# Altium PCB XMeter - 副本.PcbDoc
Units mm, origin at the board's own origin, x right, y up, seen from the top; angles counter-clockwise.
Board outline 138 x 50 mm, 2 copper layers (Top Layer, Bottom Layer); 53 components, 56 nets, 232 pads, 29 vias.
Unrouted connection lines stored in the file: 46.
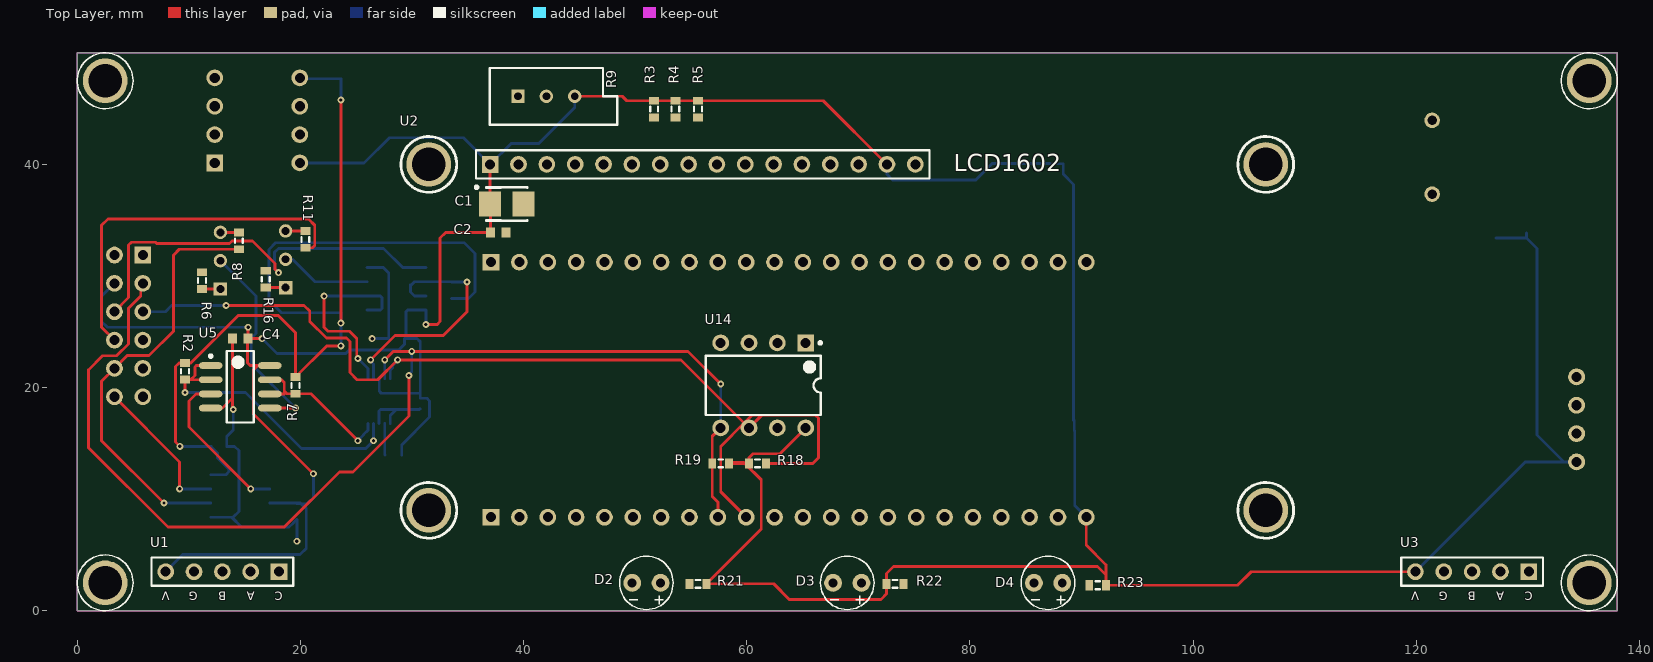
[diagram p0: Top Layer view]
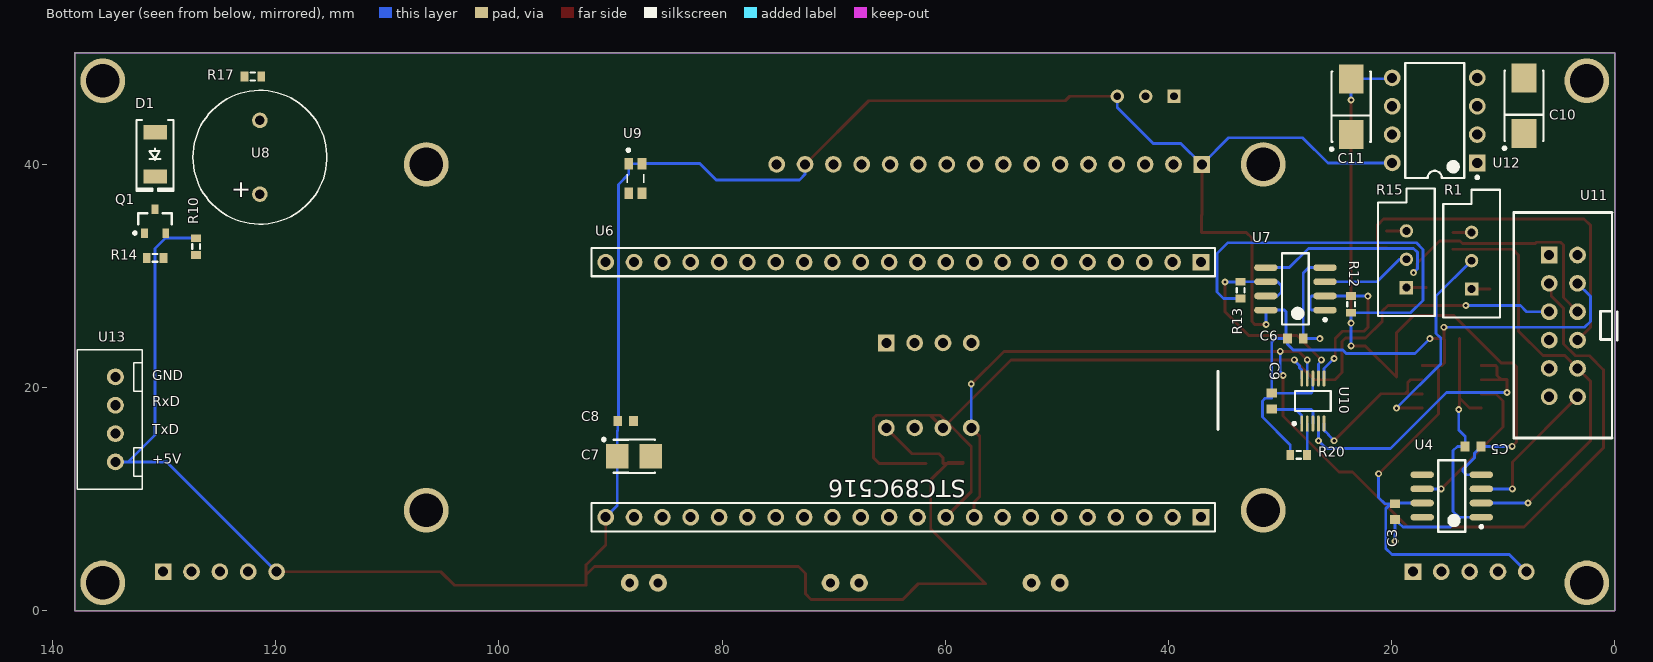
[diagram p1: Bottom Layer view, seen from below]

## Layer stack, top to bottom
Top Solder: solder mask 0.0102, Solder Resist, Dk 3.5
Top Layer: signal copper 0.0356
Dielectric 1: dielectric 0.32, FR-4, Dk 4.8
Bottom Layer: signal copper 0.0356
Bottom Solder: solder mask 0.0102, Solder Resist, Dk 3.5

## Board outline
0,0 138,0 138,50 0,50

## Design rules (kind name [scope] priority, off if disabled: settings)
Clearance TSSOP [WithinRoom('RoomDefinition1') vs WithinRoom('RoomDefinition1')] p1: gap=0.01 ignorepadtopadclearanceinfootprint=TRUE
Clearance Clearance_2 [InNamedPolygon('NONET_L01_P001')] p2: gap=0.254 ignorepadtopadclearanceinfootprint=FALSE
Clearance Clearance_1 [InNamedPolygon('NONET_L01_P000')] p3: gap=0.254 ignorepadtopadclearanceinfootprint=FALSE
Clearance [Not WithinRoom('RoomDefinition1') vs Not WithinRoom('RoomDefinition1')] p4: gap=0.254 ignorepadtopadclearanceinfootprint=TRUE
ComponentClearance [All] p1: gap=0.254 collisioncheckmode=3 verticalgap=0.254 showdistances=FALSE donotcheckwithout3dbody=TRUE
HoleSize [All] p1: absolutevalues=TRUE maxlimit=3.3 minlimit=0.025 maxpercent=80.000 minpercent=20.000
MinimumSolderMaskSliver SG3030CM [HasFootprint('SG3030CM') vs HasFootprint('SG3030CM')] p1: minsoldermaskwidth=0.19
MinimumSolderMaskSliver TSSOP50 [HasFootprint('TSSOP50P490-10AL') vs HasFootprint('TSSOP50P490-10AL')] p2: minsoldermaskwidth=0.046
MinimumSolderMaskSliver [All] p3: minsoldermaskwidth=0.254
PolygonConnect [All] p1: connectstyle=Relief reliefconductorwidth=0.254 reliefentries=4 polygonreliefangle="90 Angle" airgapwidth=0.254
RoomDefinition RoomDefinition1 [False] p1: confinementstyle=ConfineIn formatcopy=TRUE lockcomponents=FALSE outline 25.146,15.621 25.146,21.971 28.956,21.971 28.956,15.621
RoutingVias [All] p1: holewidth=0.305 width=0.61 viastyle="Through Hole" minholewidth=0.305 minwidth=0.61 maxholewidth=0.305 maxwidth=0.61
SMDEntry [InComponentClass('ChipClass')] p1: side=FALSE corner=FALSE anyangle=FALSE
SilkToSolderMaskClearance [IsPad] p1: minsilkscreentomaskgap=0.007 clearancetoexposedcopper=TRUE
SolderMaskExpansion [All] p1: expansion=0.102 istentingtop=FALSE
SupplyNets "Schematic Supply Nets_1" [InNet('+5')] p1: voltage=0.000
SupplyNets "Schematic Supply Nets" [InNet('GND')] p2: voltage=0.000
Width [All] p1: maxlimit=4 minlimit=0.254 preferedwidth=0.254
26 further rules are at their usual default settings.

## Classes and differential pairs
net class DIGETAL: BEEPER CC FAN MOD_A MOD_B MOD_C RDY RxD SET_A SET_B SET_C SWITCH TxD
net class ANALOG: +5 -5 ADC_CURRENT ADC_TEMP ADC_VIN ADC_VOUT GND_H NetR1_3 NetR15_2 NetR15_3 NetU4_6 SAMPLE_C TEMP VIN
net class GND: GND
net class I2C: SCL SDA
component class ChipClass: U1 U2 U3 U4 U5 U6 U7 U8 U9 U10 U12 U13 U14

## Components (designator, comment, footprint, x,y, rotation, side; value= is the part's Value field where it differs from the comment)
C1 "16V" TC3528-1411 38.481,36.449 r0 top value=10uF
C2 "" CAPC1608L 37.719,33.909 r180 top value=104
C3 "" CAPC1608L 19.685,8.89 r90 bottom value=104
C4 "" CAPC1608L 14.605,24.384 r0 top value=104
C5 "" CAPC1608L 12.7,14.732 r180 bottom value=104
C6 "" CAPC1608L 28.611,24.4 r0 bottom value=104
C7 "16V" TC3528-1411 87.884,13.843 r180 bottom value=10uF
C8 "" CAPC1608L 88.646,17.018 r0 bottom value=104
C9 "" CAPC1608L 30.734,18.796 r90 bottom value=104
C10 "16V" TC6032-2412 8.128,45.252 r90 bottom value=100uF
C11 "16V" TC6032-2412 23.622,45.172 r90 bottom value=100uF
D1 "SS12" "DO214AC SMA" 130.81,40.894 r270 bottom
D2 "CC" LED 51,2.5 r270 top locked
D3 "SWITCH" LED 69,2.5 r270 top locked
D4 "FAN" LED 87,2.5 r270 top locked
Q1 "S8550(2TY)" SOT-23B_L 130.81,34.925 r90 bottom
R1 "" VR5 12.827,31.369 r90 bottom value=10K
R2 "" RESC1608L 9.652,21.463 r270 top value=40K
R3 "" RESC1608L 51.689,44.958 r270 top value=4.7K
R4 "" RESC1608L 53.594,44.958 r270 top value=4.7K
R5 "" RESC1608L 55.626,44.958 r270 top value=4.7K
R6 "" RESC1608L 11.176,29.591 r90 top value=10K
R7 "" RESC1608L 19.558,20.193 r270 top value=40K
R8 "" RESC1608L 14.478,33.147 r90 top value=100K
R9 "" VR5 42.037,46.101 r0 top value=1K
R10 "" RESC1608L 127.127,32.639 r90 bottom value=10K
R11 "" RESC1608L 20.447,33.274 r90 top value=120K
R12 "" RESC1608L 23.622,27.46 r90 bottom value=40K
R13 "" RESC1608L 33.528,28.73 r90 bottom value=40K
R14 "" RESC1608L 130.81,31.623 r0 bottom value=4.7K
R15 "" VR5 18.669,31.496 r90 bottom value=5K
R16 "" RESC1608L 16.891,29.718 r90 top value=10K
R17 "" RESC1608L 122.047,47.879 r180 bottom value=100
R18 "" RESC1608L 60.96,13.208 r0 top value=10k
R19 "" RESC1608L 57.658,13.208 r180 top value=10k
R20 "" RESC1608L 28.321,13.97 r180 bottom value=10k
R21 "" RESC1608L 55.626,2.413 r0 top value=1K
R22 "" RESC1608L 73.279,2.413 r180 top value=1K
R23 "" RESC1608L 91.44,2.286 r0 top value=1K
U1 "CODEKEY(MOD)" CODEKEY 18.08,3.5 r180 top locked
U2 "LCD1602" LCD1602 37,40 r0 top locked
U3 "CODEKEY(SET)" CODEKEY 130.08,3.5 r180 top locked
U4 "LT1990" SOP127P636-8L 14.605,10.287 r0 bottom
U5 "OPA2335" SOP127P636-8L 14.605,20.066 r0 top
U6 "STC89C516CORE" STC89516CORE 37.084,31.242 r0 bottom locked
U7 "OPA2335" SOP127P636-8L 28.611,28.845 r0 bottom
U8 "BEEPER" BEEPER 121.412,40.64 r90 bottom
U9 "SG3030CM" SG3030CM 87.757,38.735 r270 bottom
U10 "ADS1115" TSSOP50P490-10AL 27.051,18.796 r90 bottom
U11 "DC3-12P" DC3-12P 5.874,31.877 r270 bottom
U12 "MAX660" DIP-8 16.129,43.942 r0 bottom
U13 "SERIAL4P" X254-4P 134.366,17.145 r270 bottom
U14 "AT24C02" DIP-8 61.468,20.193 r270 top

## Footprints (in the part's own frame and the unit in brackets; to place one, negate y for a bottom-side part, rotate by r counter-clockwise, add the part's x,y. Pads: shape width x height; smd on the part's side, far side on the other; paste and mask are expansions set on the pad)
BEEPER [mm] "BEEPER"
  round 1.4 hole 0.85: 1(-3.3,0) 2(3.3,0)
  silkscreen extent -6,-6 6,6
CAPC1608L [mm] "Chip Capacitor, Body 1.6x0.8mm, IPC High Density"
  rect 0.8x0.9 smd: 1(-0.7,0) 2(0.7,0)
  body extent -0.87,-0.48 0.87,0.48, height 0.85
CODEKEY [mm] "CODEKEY"
  rect 1.5x1.5 hole 0.9: 1(0,0)
  round 1.5 hole 0.9: 2(2.54,0) 3(5.08,0) 4(7.62,0) 5(10.16,0)
  silkscreen extent -1.27,-1.27 11.43,1.27
DC3-12P [mm] "Connector; Header; 6x2 Position"
  rect 1.5x1.5 hole 0.9: 1(0,0)
  round 1.5 hole 0.9: 2(2.54,0) 3(5.08,0) 4(7.62,0) 5(10.16,0) 6(12.7,0) 7(12.7,2.54) 8(10.16,2.54) 9(7.62,2.54) 10(5.08,2.54) 11(2.54,2.54) 12(0,2.54)
  silkscreen extent -3.81,-3.18 16.38,6.1
DIP-8 [mm] "DIP; 8 Leads; Row Spacing 7.62 mm; Pitch 2.54 mm"
  rect 1.5x1.5 hole 0.9: 1(-3.81,3.81)
  round 1.5 hole 0.9: 2(-3.81,1.27) 3(-3.81,-1.27) 4(-3.81,-3.81) 5(3.81,-3.81) 6(3.81,-1.27) 7(3.81,1.27) 8(3.81,3.81)
  silkscreen extent -3.93,-5.15 2.65,5.23, body extent -3.6,-5.15 3.6,5.15, height 5.08
"DO214AC SMA" [mm] "Molded Diode, 2-Leads, Body 4.30x2.60mm, IPC Medium Density"
  rect 1.27x2.1 smd: 1(-1.985,0) 2(1.985,0)
  silkscreen extent -3.08,-1.65 3.25,1.65, body extent -2.6,-1.37 2.6,1.37, height 2.4
LCD1602 [mm] "LCD1602"
  round 4 hole 3: 0(-5.5,-31) 0(-5.5,0) 0(69.5,-31) 0(69.5,0)
  rect 1.5x1.5 hole 0.9: 1(0,0)
  round 1.5 hole 0.9: 2(2.54,0) 3(5.08,0) 4(7.62,0) 5(10.16,0) 6(12.7,0) 7(15.24,0) 8(17.78,0) 9(20.32,0) 10(22.86,0) 11(25.4,0) 12(27.94,0) 13(30.48,0) 14(33.02,0) 15(35.56,0) 16(38.1,0)
  silkscreen extent -8,-33.5 72,2.5
LED [mm] "LED; 2 Leads"
  round 1.6 hole 0.8: 1(0,1.27) 2(0,-1.27)
  silkscreen extent -2.4,-2.4 2.4,2.4
RESC1608L [mm] "Chip Resistor, Body 1.6x0.8mm, IPC High Density"
  rect 0.7x0.9 smd: 1(-0.75,0) 2(0.75,0)
  silkscreen extent -0.2,-0.35 0.2,0.35, body extent -0.85,-0.48 0.85,0.48, height 0.6
SG3030CM [mm]
  rect 1.05x0.8 smd: 1(-1.325,-0.6) 2(1.325,-0.6) 3(1.325,0.6) 4(-1.325,0.6)
  silkscreen extent -2.66,-0.76 0.38,0.75
SOP127P636-8L [mm] "SOP, 8-Leads, Body 6x4.7mm, Pitch 1.27mm, IPC High Density"
  oval 2.1x0.6 smd: 1(-2.65,1.905) 2(-2.65,0.635) 3(-2.65,-0.635) 4(-2.65,-1.905) 5(2.65,-1.905) 6(2.65,-0.635) 7(2.65,0.635) 8(2.65,1.905)
  silkscreen extent -2.77,-3.2 1.2,3.2, body extent -2.36,-3.17 2.36,3.17, height 1.5
SOT-23B_L [mm] "SOT23, 3-Leads, Body 2.9x1.3mm, Pitch 0.95mm, Lead Span 2.4mm, IPC High Density"
  rect 0.85x0.6 smd: 1(-1.075,0.95) 2(-1.075,-0.95) 3(1.075,0)
  silkscreen extent -1.2,-1.5 0.7,1.93, body extent -0.7,-1.5 0.7,1.5, height 1.14
STC89516CORE [mm]
  rect 1.5x1.5 hole 0.9: 1(0,0) 44(0,22.86)
  round 1.5 hole 0.9: 2(2.54,0) 3(5.08,0) 4(7.62,0) 5(10.16,0) 6(12.7,0) 7(15.24,0) 8(17.78,0) 9(20.32,0) 10(22.86,0) 11(25.4,0) 12(27.94,0) 13(30.48,0) 14(33.02,0) 15(35.56,0) 16(38.1,0) 17(40.64,0) 18(43.18,0) 19(45.72,0) 20(48.26,0) 21(50.8,0) 22(53.34,0) 23(53.34,22.86) 24(50.8,22.86) 25(48.26,22.86) 26(45.72,22.86) 27(43.18,22.86) 28(40.64,22.86) 29(38.1,22.86) 30(35.56,22.86) 31(33.02,22.86) 32(30.48,22.86) 33(27.94,22.86) 34(25.4,22.86) 35(22.86,22.86) 36(20.32,22.86) 37(17.78,22.86) 38(15.24,22.86) 39(12.7,22.86) 40(10.16,22.86) 41(7.62,22.86) 42(5.08,22.86) 43(2.54,22.86)
  silkscreen extent -1.52,-1.27 54.61,24.13
TC3528-1411 [mm] "Capacitor, SM Tantalum; Body 3.5 x 2.8 mm (LxW typ)"
  rect 2x2.2 smd: 1(-1.5,0) 2(1.5,0)
  silkscreen extent -2.82,-1.5 1.85,1.62
TC6032-2412 [mm] "Capacitor, SM Tantalum; Body 6.0 x 3.2 mm (LxW typ)"
  rect 2.6x2.2 smd: 1(-2.5,0) 2(2.5,0)
  silkscreen extent -3.92,-1.75 3.15,1.88
TSSOP50P490-10AL [mm] "TSSOP, 10-Leads, Body 3x3mm, Pitch 0.5mm, IPC High Density"
  oval 1.45x0.25 smd: 1(-2.025,1) 2(-2.025,0.5) 3(-2.025,0) 4(-2.025,-0.5) 5(-2.025,-1) 6(2.025,-1) 7(2.025,-0.5) 8(2.025,0) 9(2.025,0.5) 10(2.025,1)
  silkscreen extent -2.15,-1.6 0.9,1.8, body extent -1.6,-1.6 1.6,1.6, height 1.1
VR5 [mm] "Thru-Hole; 3 Leads"
  round 1.2 hole 0.7: 1(2.54,0) 3(0,0)
  rect 1.2x1.2 hole 0.7: 2(-2.54,0)
  silkscreen extent -5.08,-2.54 6.35,2.54
X254-4P [mm] "X254-4P"
  oval 1.5x1.524 hole 0.9: 1(-3.81,0) 2(-1.27,0) 3(1.27,0) 4(3.81,0)
  silkscreen extent -6.25,-3.43 6.25,2.41

## Part data
C1 C7 C10 C11: library part "Cap Pol1", "Polarized Capacitor (Radial)", LatestRevisionDate=17-Jul-2002, LatestRevisionNote="Re-released for DXP Platform.", PackageDescription="Polarized Capacitor (Radial); 2 Leads", PackageReference=RB7.6-15, Published=8-Jun-2000, Publisher="Altium Limited"
C2 C3 C4 C5 C6 C8 C9: library part Cap, "Capacitor", LatestRevisionDate=17-Jul-2002, LatestRevisionNote="Re-released for DXP Platform.", PackageDescription="Radial Cap, Thru-Hole; 2 Leads; 0.3 in Pin Spacing", PackageReference=RAD-0.3, Published=8-Jun-2000, Publisher="Altium Limited"
D1: library part "Diode 1N4007", "1 Amp General Purpose Rectifier", Code_JEDEC=DO-204-AL, ComponentLink1Description="Manufacturer Link", ComponentLink1URL=http://www.fairchildsemi.com/, ComponentLink2Description=Datasheet, ComponentLink2URL=http://www.fairchildsemi.com/ds/1N%2F1N4001.pdf, DatasheetVersion=1998, LatestRevisionDate=17-Jul-2002, LatestRevisionNote="Re-released for DXP Platform.", PackageDescription="Diode, Axial; Body 5.2 x 2.7 mm (LxDia. max), Lead Dia. 0.86 mm (max)", PackageReference=DO-41, PackageVersion=Aug-1999, Published=8-Jun-2000, Publisher="Altium Limited"
D2 D3 D4: library part LED1, "Typical RED GaAs LED", LatestRevisionDate=08-Jul-2005, LatestRevisionNote="Mech Layer 1 removed.", PackageDescription="LED; 2 Leads", PackageReference=LED-1, Published=8-Jun-2000, Publisher="Altium Limited"
Q1: library part PNP, "PNP Bipolar Transistor", LatestRevisionDate=29-May-2009, LatestRevisionNote="IPC-7351 Footprint Added.", PackageDescription="3-Pin SOT-23 Package 0.95 mm Pitch, 2.4 mm Lead Span", PackageReference=SOT-23B, PackageVersion=Aug-1999, Published=8-Jun-2000, Publisher="Altium Limited"
R1 R9 R15: library part RPot, "Potentiometer", LatestRevisionDate=17-Jul-2002, LatestRevisionNote="Re-released for DXP Platform.", PackageDescription="Variable Resistor, Thru-Hole; 3 Leads", PackageReference=VR5, Published=8-Jun-2000, Publisher="Altium Limited", Set Position=0.5, Sim Note="Enter the Resistance value and the set point into parameter fields."
R2 R3 R4 R5 R6 R7 R8 R10 R11 R12 R13 R14 R16 R17 R18 R19 R20 R21 R22 R23: library part Res1, "Resistor", LatestRevisionDate=17-Jul-2002, LatestRevisionNote="Re-released for DXP Platform.", PackageDescription="Axial Device, Thru-Hole; 2 Leads; 0.3 in Pin Spacing", PackageReference=AXIAL-0.3, Published=8-Jun-2000, Publisher="Altium Limited"
U1 U3: library part CODEKEY, "CODEKEY"

## Free pads (board coordinates)
  round 4 hole 3: 0(2.5,2.5) 0(2.5,47.5) 0(135.5,47.5) 5(135.5,2.5)

## Via types
v1: diameter 0.61, hole 0.305, Top Layer to Bottom Layer, 29 vias

## Nets (pads, with @x,y where several pads share a name; then routed paths per layer and width w, separated by ;. In a path a pad name is that pad's centre, name@x,y a point inside that pad or via, vN(x,y) a via of type N, cw(c..) or ccw(c..) an arc to the next point about the centre after c; other vN are vias at no path point)
+5: C1.1 C2.2 C3.2 C4.2 C6.2 C7.1 C8.2 C9.2 Q1.2 R3.1 R4.1 R5.1 R9.1 R10.2 R18.1 R19.1 R20.1 R21.2 R22.2 R23.2 U1.5 U2.1 U2.15 U3.5 U4.7 U5.8 U6.23 U7.8 U9.1 U9.4 U10.8 U11.11 U12.8 U13.4 U14.8 | length 369.1
  Top Layer w0.254: v1(15.305,25.4) C4.2 ; v1(16.561,24.384) C4.2 ; U5.8 16.18,21.971 ; v1(21.158,12.268) 15.799,17.628 15.799,21.59 16.18,21.971 ; v1(31.242,25.654) 32.258,25.654 32.512,25.908 32.512,33.401 33.02,33.909 C2.2 37.019,35.446 36.981,35.484 C1.1 36.981,39.981 U2.1 ; R9.1 48.844,46.101 49.237,45.708 R3.1 R4.1 R5.1 66.852,45.708 U2.15 ; U14.8 62.967,14.072 60.566,14.072 60.21,13.716 R18.1 59.817,13.208 ; U6.23 90.424,5.881 92.19,4.115 92.19,3.212 ; U3.5 105.202,3.5 103.988,2.286 R23.2 92.19,3.212 ; C4.2 15.24,24.319 15.24,22.225 15.494,21.971 16.18,21.971 ; 59.817,13.208 61.29,11.735 61.29,7.327 R21.2 62.408,2.413 63.805,1.016 72.021,1.016 72.529,1.524 R22.2 72.529,3.339 73.152,3.962 91.44,3.962 92.19,3.212 ; 59.817,13.208 59.715,13.31 58.408,13.31 R19.1 59.817,13.208
  Bottom Layer w0.254: U11.11 2.184,28.187 2.184,25.908 2.692,25.4 v1(15.305,25.4) ; U1.5 9.449,5.029 19.964,5.029 20.523,5.588 20.523,9.144 C3.2@20.077,9.59 ; v1(16.561,24.384) 17.894,23.051 24.054,23.051 24.371,23.368 28.803,23.368 29.311,23.876 C6.2 ; U4.7 C3.2@19.623,9.652 ; U12.8 25.705,40.132 27.965,42.393 34.607,42.393 U2.1 38.885,41.885 41.351,41.885 44.577,45.11 R9.1 ; v1(21.158,12.268) 21.158,10.16 20.588,9.59 C3.2@20.077,9.59 ; U10.8 27.057,20.815 27.057,19.679 27.24,19.496 C9.2 ; R20.1 29.071,14.859 31.572,17.36 31.572,18.796 31.318,19.05 30.734,19.05 C9.2 ; v1(31.242,25.654) U7.8@31.242,26.94 ; U7.8 U7.8@31.242,26.94 ; U2.15 72.56,39.116 73.068,38.608 80.518,38.608 81.991,40.081 87.157,40.081 U9.4 87.157,40.056 U9.1@88.357,40.056 ; U9.1 U9.1@88.357,40.056 ; U6.23 89.384,9.422 C7.1 89.384,16.104 89.346,16.142 C8.2 89.346,17.069 89.281,17.069 89.281,38.202 88.357,39.126 U9.1@88.357,40.056 ; U3.5 129.755,13.335 133.223,13.335 ; R10.2 129.86,33.389 129.86,33.411 ; Q1.2 129.86,33.411 ; U13.4 133.223,13.335 ; C3.2@19.623,9.652 19.685,9.652 20.015,9.652 C3.2@20.077,9.59 ; C3.2@19.623,9.652 C3.2 C3.2@20.077,9.59 ; C6.2 30.439,24.4 30.734,24.105 C9.2 ; C6.2 29.464,24.553 29.464,26.791 29.613,26.94 U7.8@31.242,26.94 ; 129.86,33.411 130.81,32.461 130.81,15.748 133.223,13.335
+12: U11.12
-5: C5.2 C11.2 R2.1 R7.1 R12.1 R13.1 U4.4 U12.5 | length 102.2
  Top Layer w0.254: v1(9.195,14.732) 8.814,15.113 8.814,21.883 9.144,22.213 R2.1 10.173,22.213 14.427,26.467 18.009,26.467 19.558,24.917 R7.1 22.352,23.737 v1(23.622,23.737) ; v1(23.622,25.781) v1(23.622,45.771)
  Bottom Layer w0.254: v1(9.195,14.732) C5.2 12,14.682 12.573,14.109 12.573,13.716 13.611,12.678 13.611,12.468 13.335,12.192 U4.4 ; U12.5 20.019,47.672 C11.2 v1(23.622,45.771) ; v1(23.622,23.737) v1(23.622,25.781) R12.1 18.288,26.71 17.18,27.818 17.18,32.385 17.78,32.985 34.655,32.985 35.636,32.004 35.636,28.564 35.052,27.98 R13.1
ADC_CURRENT: R2.2 U5.1 U5.2 U10.4 | length 27.3
  Top Layer w0.254: v1(9.652,19.558) R2.2 R2.2@9.83,20.713 ; U5.2 9.83,20.701 R2.2@9.83,20.713 ; U5.1 10.668,21.971 10.541,21.844 10.541,21.082 10.172,20.713 R2.2@9.83,20.713
  Bottom Layer w0.254: v1(9.652,19.558) 15.087,19.558 20.091,14.554 25.857,14.554 v1(26.543,15.24) 26.551,15.248 U10.4
ADC_TEMP: R13.2 U7.6 U7.7 U10.7 | length 22.2
  Top Layer w0.254: v1(26.289,22.479) 28.482,24.672 32.8,24.672 34.925,26.797 v1(34.925,29.464)
  Bottom Layer w0.254: v1(26.289,22.479) 26.289,22.383 26.551,22.121 U10.7 ; U7.7 30.211,28.21 29.867,28.554 29.867,29.21 29.941,29.21 30.211,29.48 U7.6 R13.2 33.536,29.472 34.917,29.472 v1(34.925,29.464)
ADC_VIN: R12.2 U7.1 U7.2 U10.6 | length 17.7
  Top Layer w0.254: v1(22.123,28.194) 22.123,25.4 22.473,25.05 24.384,25.05 25.048,24.386 25.048,22.704 v1(25.146,22.606)
  Bottom Layer w0.254: v1(22.123,28.194) 23.606,28.194 R12.2 U7.2 25.971,28.2 27.156,28.2 27.305,28.051 27.305,27.099 27.156,26.95 25.971,26.95 U7.1 ; v1(25.146,22.606) 26.043,21.709 26.043,21.425 26.051,21.417 U10.6
ADC_VOUT: R7.2 U5.6 U5.7 U10.5 | length 14.1
  Top Layer w0.254: U5.6 18.542,19.431 18.542,19.697 ; U5.7 18.305,20.701 18.542,20.464 18.542,19.697 ; v1(25.146,15.24) 20.943,19.443 R7.2 18.796,19.443 18.542,19.697
  Bottom Layer w0.254: v1(25.146,15.24) 25.656,15.75 25.656,15.78 26.051,16.175 U10.5
BEEPER: R10.1 R14.1 U6.28
CC: D2.2 U6.11 U11.1
FAN: D4.2 U6.10 U11.5
GND: C1.2 C2.1 C3.1 C4.1 C5.1 C6.1 C7.2 C8.1 C9.1 C11.1 pad.0 pad.5 R6.2 R9.2 R16.2 R17.1 U1.4 U2.0 U2.2 U2.16 U3.4 U4.1 U5.4 U6.25 U7.4 U10.1 U10.3 U11.6 U12.3 U12.6 U13.1 U14.1 U14.2 U14.3 U14.4 U14.7 | length 46
  Top Layer w0.254: U5.4 13.005,18.161 13.905,19.061 ; C4.1 13.905,19.061 ; v1(13.97,18.034) 13.905,18.099 13.905,19.061
  Bottom Layer w0.254: U4.1 13.843,8.382 ; v1(13.97,18.034) 13.97,16.172 13.4,15.602 C5.1 14.097,14.732 14.478,14.351 14.478,8.89 13.97,8.382 13.843,8.382 ; v1(19.685,6.223) C3.1 19.635,8.19 19.362,7.917 19.362,7.867 18.988,7.493 14.732,7.493 13.843,8.382 ; U7.4 27.416,30.75 27.911,30.255 C6.1 27.895,24.384 v1(26.416,24.384) ; U10.3 27.051,17.885 27.2,18.034 28.589,18.034 ; U10.1 28.051,17.496 28.589,18.034 ; C9.1 30.672,18.034 28.589,18.034
GND_H: R8.1 U4.2 U11.8 | length 38.6
  Top Layer w0.254: v1(7.772,9.652) 2.184,15.24 2.184,20.567 U11.8 4.477,22.86 6.426,22.86 8.611,25.044 8.611,31.864 9.144,32.397 R8.1
  Bottom Layer w0.254: v1(7.772,9.652) U4.2
MOD_A: U1.2 U6.18 U6.29
MOD_B: U1.3 U6.30
MOD_C: U1.1 U6.31
NetC10_1: C10.1 U12.2
NetC10_2: C10.2 U12.4
NetD1_1: D1.1 R17.2 U8.2
NetD1_2: D1.2 Q1.3 U8.1
NetD2_1: D2.1 R21.1
NetD3_1: D3.1 R22.1
NetD4_1: D4.1 R23.1
NetQ1_1: Q1.1 R14.2
NetR1_1: R1.1 R8.2 | length 1.7
  Top Layer w0.254: R1.1 12.833,33.903 14.472,33.903 R8.2
NetR1_2: R1.2 R6.1 | length 1.7
  Top Layer w0.254: R6.1 12.815,28.841 R1.2
NetR1_3: R1.3 U5.5 | length 18.6
  Top Layer w0.254: U5.5 v1(19.558,18.161)
  Bottom Layer w0.254: R1.3 16.002,28.194 16.002,24.841 15.596,24.435 15.596,22.123 v1(19.558,18.161)
NetR3_2: R3.2 U2.4 U6.6
NetR4_2: R4.2 U2.5 U6.7
NetR5_2: R5.2 U2.6 U6.8
NetR9_3: R9.3 U2.3
NetR11_2: R11.2 R15.1 | length 1.8
  Top Layer w0.254: R15.1 18.675,34.03 20.441,34.03 R11.2
NetR15_2: R15.2 R16.1 | length 1.8
  Top Layer w0.254: R16.1 18.657,28.968 R15.2
NetR15_3: R15.3 U7.3 | length 8.1
  Bottom Layer w0.254: R15.3 19.294,31.496 21.31,29.48 U7.3
NetU2_7: U2.7 U6.4
NetU2_8: U2.8 U6.3
NetU2_9: U2.9 U6.2
NetU2_10: U2.10 U6.1
NetU2_11: U2.11 U6.44
NetU2_12: U2.12 U6.43
NetU2_13: U2.13 U6.42
NetU2_14: U2.14 U6.41
NetU4_6: U4.6 U5.3 | length 14.1
  Top Layer w0.254: U5.3 10.643,19.431 10.008,18.796 10.008,16.459 v1(15.545,10.922)
  Bottom Layer w0.254: v1(15.545,10.922) U4.6
NetU6_20: U6.20 U9.3
NetU6_22: U6.22 U9.2
RDY: R20.2 U6.12 U10.2 | length 2.8
  Bottom Layer w0.254: U10.2 27.551,13.99 R20.2
RxD: U6.15 U13.2
SAMPLE_C: U4.3 U11.7 | length 13.5
  Top Layer w0.254: U11.7 9.169,13.342 v1(9.169,10.922)
  Bottom Layer w0.254: v1(9.169,10.922) U4.3
SCL: R18.2 U6.35 U10.10 U11.3 U14.6 | length 92.1
  Top Layer w0.254: v1(13.335,27.356) 20.32,27.356 20.828,26.848 20.828,25.933 22.327,24.435 24.13,24.435 24.435,24.13 24.435,21.336 25.07,20.701 26.924,20.701 v1(28.702,22.479) 54.102,22.479 U14.6@59.753,16.828 ; U6.35 57.658,10.668 57.658,14.732 U14.6@59.753,16.828 ; R18.2 65.913,13.208 66.421,13.716 66.421,17.272 66.167,17.526 61.341,17.526 ; U14.6@59.753,16.828 60.452,17.526 61.341,17.526 ; U14.6@59.753,16.828 U14.6 61.341,17.526
  Bottom Layer w0.254: U11.3 7.899,26.797 8.458,27.356 v1(13.335,27.356) ; U10.10 28.051,21.574 28.254,21.777 28.254,21.957 28.702,22.405 v1(28.702,22.479)
SDA: R19.2 U6.36 U10.9 U11.2 U14.5 | length 104.9
  Top Layer w0.254: U11.2 5.684,29.147 5.684,28.206 4.58,27.103 4.58,23.904 3.524,22.848 2.274,22.848 1.016,21.59 1.016,14.605 8.128,7.493 18.542,7.493 23.495,12.446 24.719,12.446 29.718,17.445 v1(29.718,21.082) ; v1(27.559,22.479) 28.321,23.241 54.737,23.241 v1(57.658,20.32) ; U6.36 57.404,9.728 56.908,10.224 R19.2 56.908,15.633 U14.5
  Bottom Layer w0.254: U10.9 27.553,20.823 27.553,21.787 27.559,21.793 v1(27.559,22.479) ; v1(29.718,21.082) 29.718,21.178 29.972,21.432 v1(29.972,23.241) ; U14.5 v1(57.658,20.32)
SET_A: U3.2 U6.19 U6.32
SET_B: U3.3 U6.33
SET_C: U3.1 U6.34
SWITCH: D3.2 U6.9 U11.4
TEMP: U7.5 U11.10 | length 38.1
  Top Layer w0.254: U11.10 4.597,28.06 4.597,32.766 4.851,33.02 7.01,33.02 7.112,32.918 13.64,32.918 13.868,33.147 15.697,33.147 17.729,31.115 17.729,30.607 v1(18.034,30.302)
  Bottom Layer w0.254: v1(18.034,30.302) 17.688,30.648 17.688,32.131 18.034,32.477 27.442,32.477 29.169,30.75 U7.5
TxD: U6.17 U13.3
VIN: R11.1 U11.9 | length 33.1
  Top Layer w0.254: U11.9 2.184,25.407 2.184,34.544 2.743,35.103 20.726,35.103 21.285,34.544 21.285,32.727 21.082,32.524 R11.1
pads on no net: U4.5 U4.8 U6.5 U6.13 U6.14 U6.16 U6.21 U6.24 U6.26 U6.27 U6.37 U6.38 U6.39 U6.40 U12.1 U12.7

## Polygon pours and split planes (outlines as drawn)
GND on Top Layer "NONET_L01_P000" (solid, remove dead copper, shelved, pour order 0): 0,0 138,0 138,50 0,50
GND on Bottom Layer "NONET_L02_P001" (solid, remove dead copper, shelved, pour order 1): 0,0 138,0 138,50 0,50

## Keep-outs
Keep-Out Layer:
  the board outline again, w0.127

## Silkscreen, mask and mechanical layers (free items; w line width, h text height)
Top Overlay:
  circle w0.127: c135.5,2.5 r2.5
  circle w0.127: c135.5,47.5 r2.5
  circle w0.127: c2.5,47.5 r2.5
  circle w0.127: c2.5,2.5 r2.5
Bottom Overlay:
  text "GND" at 131.064,20.336 h1.52
  text "RxD" at 131.064,18.034 h1.52
  text "TxD" at 131.064,15.494 h1.52
  text "+5V" at 131.064,12.843 h1.52
Bottom Solder:
  text "XMeter 1.0" at 114.554,45.873 h2.52
  text "sTeeLm" at 114.427,43.958 h1.52
Mechanical 13:
  lines w0.254: 25.146,15.621 28.956,15.621 28.956,21.971 25.146,21.971 25.146,15.621

## Text inside footprints (layer, text, board x,y; h text height)
U1: Top Overlay "C" at 18.426,1.687 h0.76 r180; Top Overlay "A" at 15.886,1.687 h0.76 r180; Top Overlay "B" at 13.346,1.687 h0.76 r180; Top Overlay "G" at 10.806,1.687 h0.76 r180; Top Overlay "V" at 8.266,1.687 h0.76 r180
U3: Top Overlay "C" at 130.426,1.687 h0.76 r180; Top Overlay "A" at 127.886,1.687 h0.76 r180; Top Overlay "B" at 125.346,1.687 h0.76 r180; Top Overlay "G" at 122.806,1.687 h0.76 r180; Top Overlay "V" at 120.266,1.687 h0.76 r180
U6: Bottom Overlay "STC89C516" at 58.166,11.684 h1.52 r180
U8: Bottom Overlay "+" at 122.428,36.83 h1.52 r270